# KiCad board output.Panel_R0.5.1_300x300_2layer_step1_Modified.kicad_pcb (continued)
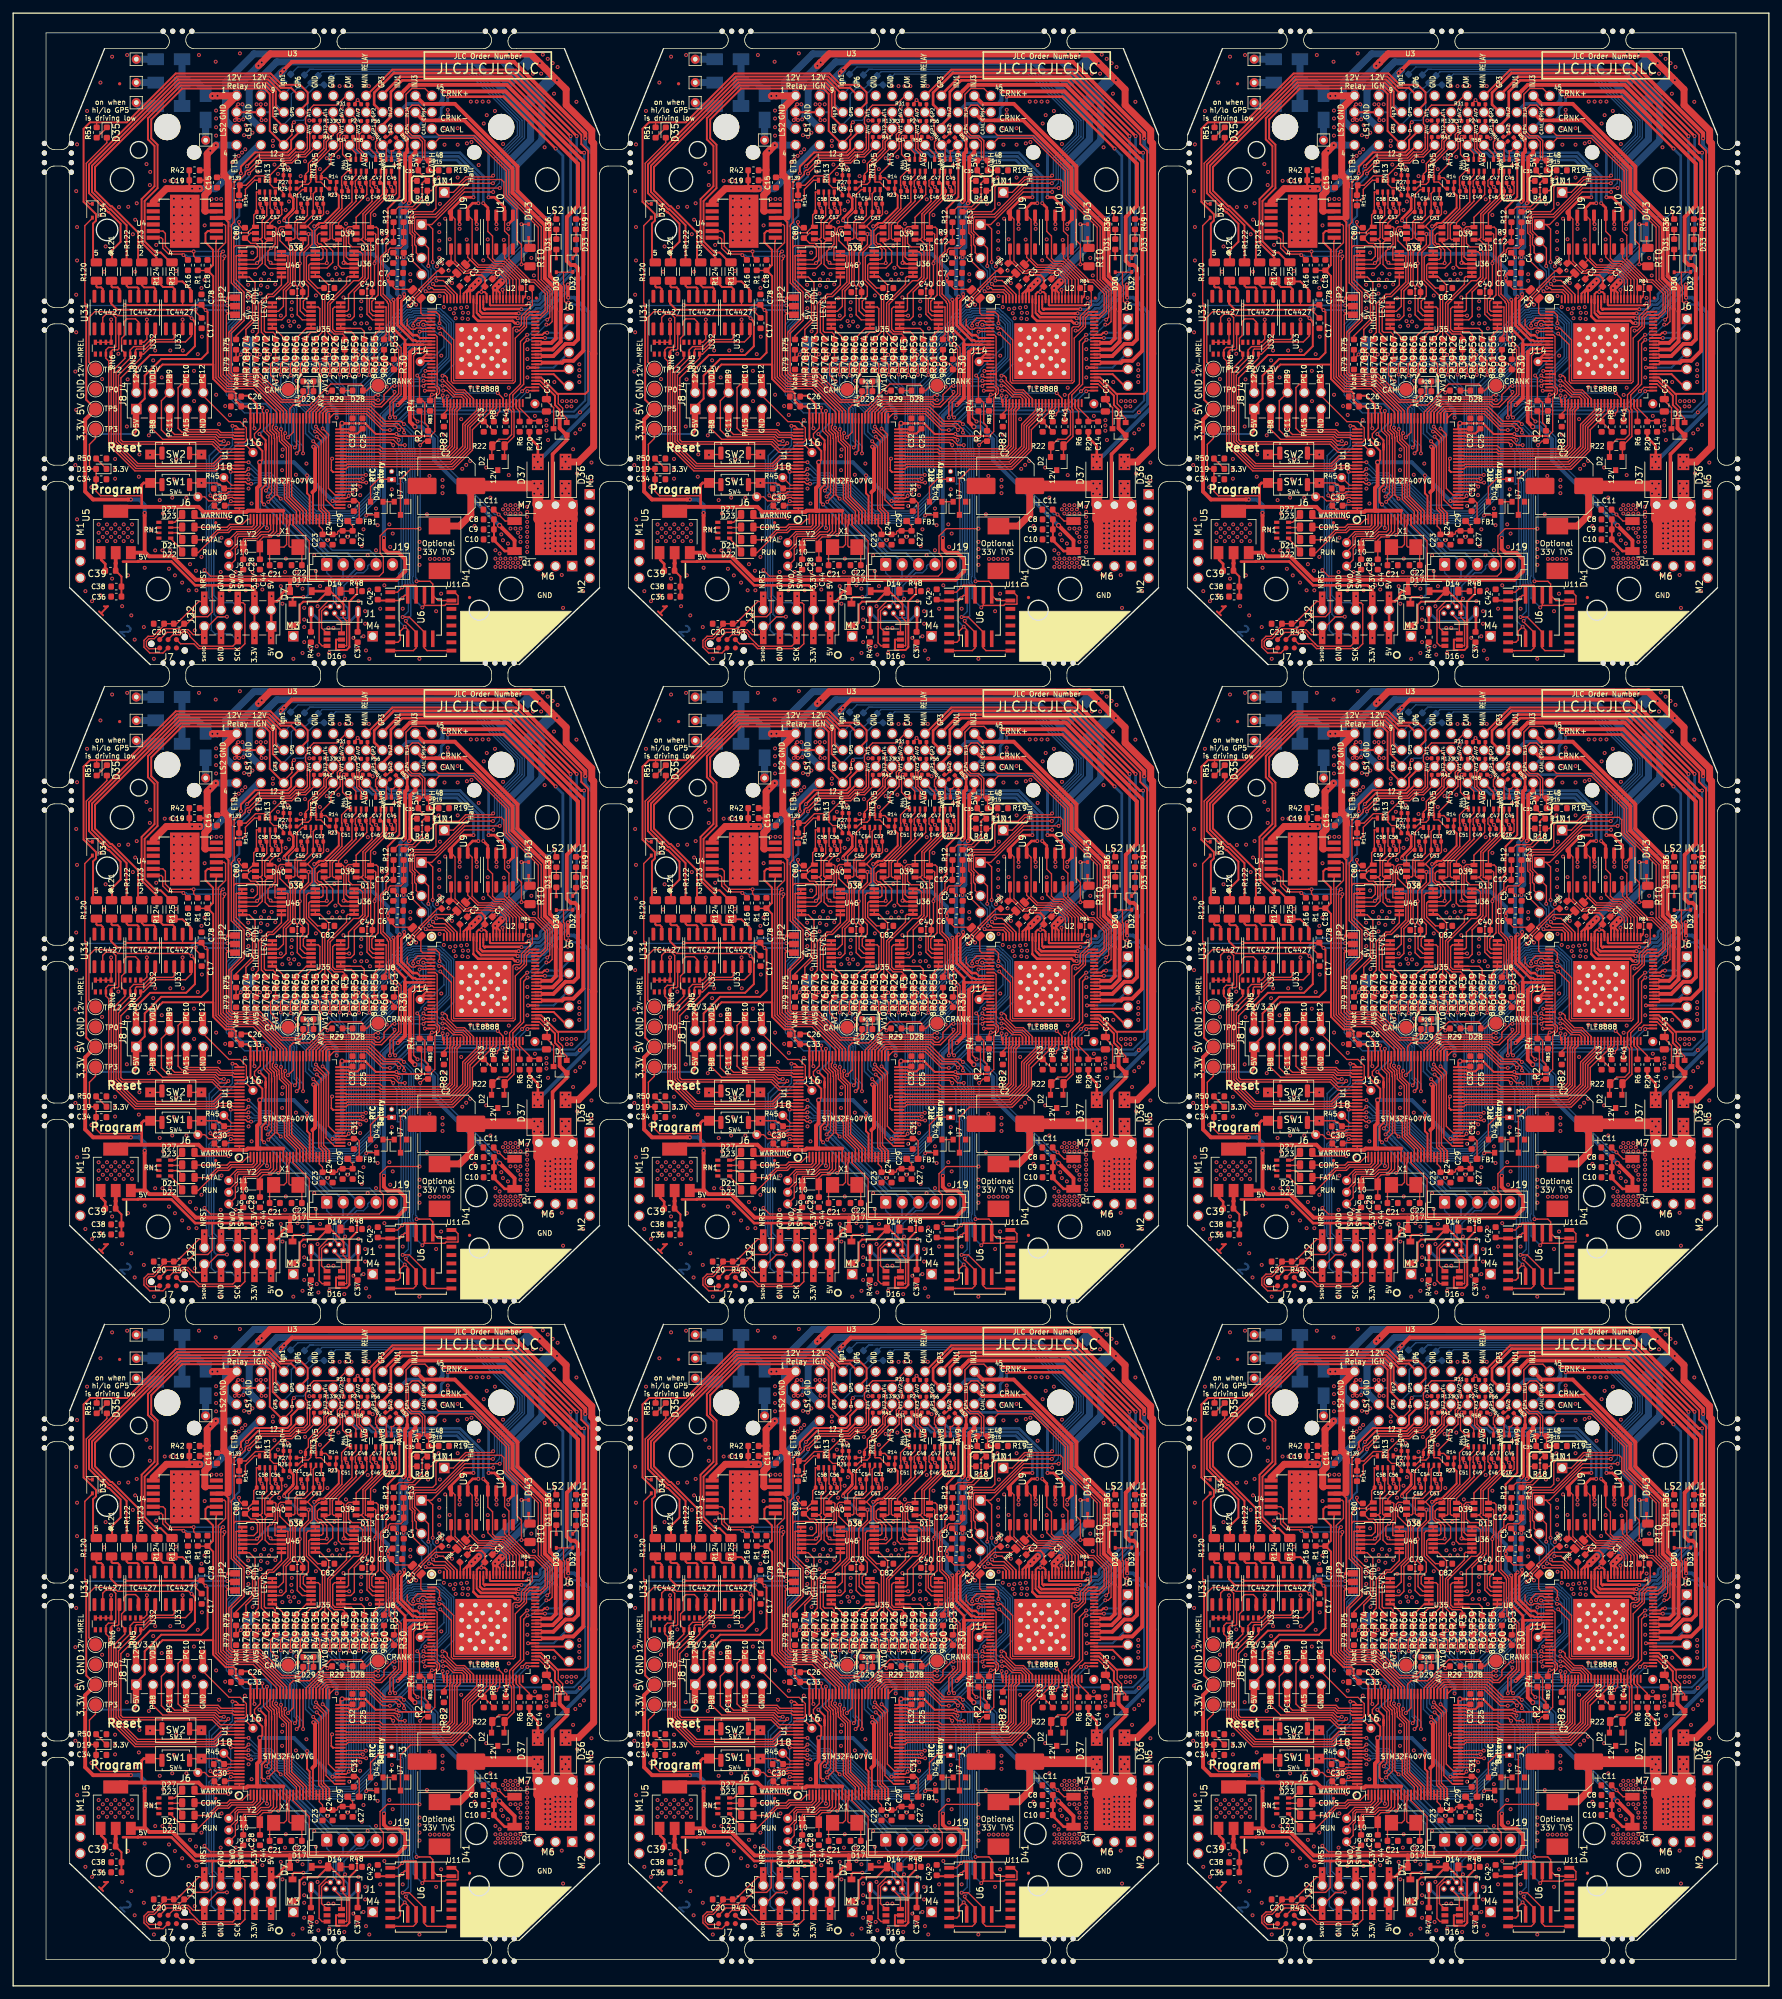
[diagram p0: board, top side]
## Routing (per net, layer and track width the routed paths; a pad name or vN(x,y) marks a point on that pad's centre or on a via; arc(x,y) is an arc through that point) (continued)
/TLE8888-1QK/IN_9: length 241.5
  Top w0.216: U1#2.41 151.43,232.22 153.37,234.15 153.37,237.48 155.5,239.61 U2#2.36 ; U1#3.41 236.43,232.22 238.37,234.15 238.37,237.48 240.5,239.61 U2#3.36 ; U1#5.41 236.43,135.22 238.37,137.15 238.37,140.48 240.5,142.61 U2#5.36 ; U1#4.41 66.43,135.22 68.37,137.15 68.37,140.48 70.5,142.61 U2#4.36 ; U1#6.41 151.43,135.22 153.37,137.15 153.37,140.48 155.5,142.61 U2#6.36 ; U1#7.41 66.43,38.22 68.37,40.15 68.37,43.48 70.5,45.61 U2#7.36 ; U1#9.41 151.43,38.22 153.37,40.15 153.37,43.48 155.5,45.61 U2#9.36 ; U1#8.41 236.43,38.22 238.37,40.15 238.37,43.48 240.5,45.61 U2#8.36 ; U1.41 66.43,232.22 68.37,234.15 68.37,237.48 70.5,239.61 U2.36
/TLE8888-1QK/IN_10: length 248
  Top w0.216: U2#2.37 156,239.59 153.74,237.32 153.74,234 151.5,231.76 135.61,231.76 135.56,231.72 U1#2.40 ; U1#3.40 220.56,231.72 220.61,231.76 236.5,231.76 238.74,234 238.74,237.32 241,239.59 U2#3.37 ; U1#5.40 220.56,134.72 220.61,134.76 236.5,134.76 238.74,137 238.74,140.32 241,142.59 U2#5.37 ; U2#4.37 71,142.59 68.74,140.32 68.74,137 66.5,134.76 50.61,134.76 50.56,134.72 U1#4.40 ; U1#6.40 135.56,134.72 135.61,134.76 151.5,134.76 153.74,137 153.74,140.32 156,142.59 U2#6.37 ; U2#7.37 71,45.59 68.74,43.32 68.74,40 66.5,37.76 50.61,37.76 50.56,37.72 U1#7.40 ; U1#9.40 135.56,37.72 135.61,37.76 151.5,37.76 153.74,40 153.74,43.32 156,45.59 U2#9.37 ; U1#8.40 220.56,37.72 220.61,37.76 236.5,37.76 238.74,40 238.74,43.32 241,45.59 U2#8.37 ; U2.37 71,239.59 68.74,237.32 68.74,234 66.5,231.76 50.61,231.76 50.56,231.72 U1.40
/TLE8888-1QK/IN_11: length 254.5
  Top w0.216: U1#2.39 135.64,231.22 135.82,231.39 151.65,231.39 154.1,233.85 154.1,237.17 156.5,239.57 U2#2.38 ; U2#3.38 241.5,239.57 239.1,237.17 239.1,233.85 236.65,231.39 220.82,231.39 220.64,231.22 U1#3.39 ; U2#5.38 241.5,142.57 239.1,140.17 239.1,136.85 236.65,134.39 220.82,134.39 220.64,134.22 U1#5.39 ; U1#4.39 50.64,134.22 50.82,134.39 66.65,134.39 69.1,136.85 69.1,140.17 71.5,142.57 U2#4.38 ; U2#6.38 156.5,142.57 154.1,140.17 154.1,136.85 151.65,134.39 135.82,134.39 135.64,134.22 U1#6.39 ; U1#7.39 50.64,37.22 50.82,37.39 66.65,37.39 69.1,39.85 69.1,43.17 71.5,45.57 U2#7.38 ; U2#9.38 156.5,45.57 154.1,43.17 154.1,39.85 151.65,37.39 135.82,37.39 135.64,37.22 U1#9.39 ; U2#8.38 241.5,45.57 239.1,43.17 239.1,39.85 236.65,37.39 220.82,37.39 220.64,37.22 U1#8.39 ; U2.38 71.5,239.57 69.1,237.17 69.1,233.85 66.65,231.39 50.82,231.39 50.64,231.22 U1.39
/TLE8888-1QK/IN_12: length 261
  Top w0.216: U1#2.38 135.66,230.72 135.97,231.03 151.81,231.03 154.47,233.69 154.47,237.02 157,239.54 U2#2.39 ; U1#3.38 220.66,230.72 220.97,231.03 236.81,231.03 239.47,233.69 239.47,237.02 242,239.54 U2#3.39 ; U1#5.38 220.66,133.72 220.97,134.03 236.81,134.03 239.47,136.69 239.47,140.02 242,142.54 U2#5.39 ; U1#4.38 50.66,133.72 50.97,134.03 66.81,134.03 69.47,136.69 69.47,140.02 72,142.54 U2#4.39 ; U1#6.38 135.66,133.72 135.97,134.03 151.81,134.03 154.47,136.69 154.47,140.02 157,142.54 U2#6.39 ; U1#7.38 50.66,36.72 50.97,37.03 66.81,37.03 69.47,39.69 69.47,43.02 72,45.54 U2#7.39 ; U1#9.38 135.66,36.72 135.97,37.03 151.81,37.03 154.47,39.69 154.47,43.02 157,45.54 U2#9.39 ; U1#8.38 220.66,36.72 220.97,37.03 236.81,37.03 239.47,39.69 239.47,43.02 242,45.54 U2#8.39 ; U1.38 50.66,230.72 50.97,231.03 66.81,231.03 69.47,233.69 69.47,237.02 72,239.54 U2.39
/TLE8888-1QK/INJ_EN: length 222.7
  Top w0.203: v1(140.5,241.92) 140.08,241.92 139.8,241.64 131.91,241.64 129.59,239.33 U1#2.58 ; R83#2.1 148.4,241.71 v1(148.68,241.99) 149.1,241.99 149.48,242.37 149.48,242.81 149.19,243.1 U2#2.24 ; U2#3.24 234.19,243.1 234.48,242.81 234.48,242.37 234.1,241.99 v1(233.68,241.99) 233.4,241.71 R83#3.1 ; v1(225.5,241.92) 225.08,241.92 224.8,241.64 216.91,241.64 214.59,239.33 U1#3.58 ; U2#6.24 149.19,146.1 149.48,145.81 149.48,145.37 149.1,144.99 v1(148.68,144.99) 148.4,144.71 R83#6.1 ; v1(140.5,144.92) 140.08,144.92 139.8,144.64 131.91,144.64 129.59,142.33 U1#6.58 ; v1(55.5,144.92) 55.08,144.92 54.8,144.64 46.91,144.64 44.59,142.33 U1#4.58 ; R83#4.1 63.4,144.71 v1(63.68,144.99) 64.1,144.99 64.48,145.37 64.48,145.81 64.19,146.1 U2#4.24 ; v1(225.5,144.92) 225.08,144.92 224.8,144.64 216.91,144.64 214.59,142.33 U1#5.58 ; U2#5.24 234.19,146.1 234.48,145.81 234.48,145.37 234.1,144.99 v1(233.68,144.99) 233.4,144.71 R83#5.1 ; U1#9.58 129.59,45.33 131.91,47.64 139.8,47.64 140.08,47.92 v1(140.5,47.92) ; R83#9.1 148.4,47.71 v1(148.68,47.99) 149.1,47.99 149.48,48.37 149.48,48.81 149.19,49.1 U2#9.24 ; v1(55.5,47.92) 55.08,47.92 54.8,47.64 46.91,47.64 44.59,45.33 U1#7.58 ; R83#7.1 63.4,47.71 v1(63.68,47.99) 64.1,47.99 64.48,48.37 64.48,48.81 64.19,49.1 U2#7.24 ; v1(225.5,47.92) 225.08,47.92 224.8,47.64 216.91,47.64 214.59,45.33 U1#8.58 ; U2#8.24 234.19,49.1 234.48,48.81 234.48,48.37 234.1,47.99 v1(233.68,47.99) 233.4,47.71 R83#8.1 ; U2.24 64.19,243.1 64.48,242.81 64.48,242.37 64.1,241.99 v1(63.68,241.99) 63.4,241.71 R83.1 ; U1.58 44.59,239.33 46.91,241.64 54.8,241.64 55.08,241.92 v1(55.5,241.92)
  Bottom w0.203: v1(148.68,241.99) 148.36,241.67 141.17,241.67 140.92,241.92 v1(140.5,241.92) ; v1(233.68,241.99) 233.36,241.67 226.17,241.67 225.92,241.92 v1(225.5,241.92) ; v1(148.68,144.99) 148.36,144.67 141.17,144.67 140.92,144.92 v1(140.5,144.92) ; v1(63.68,144.99) 63.36,144.67 56.17,144.67 55.92,144.92 v1(55.5,144.92) ; v1(233.68,144.99) 233.36,144.67 226.17,144.67 225.92,144.92 v1(225.5,144.92) ; v1(148.68,47.99) 148.36,47.67 141.17,47.67 140.92,47.92 v1(140.5,47.92) ; v1(63.68,47.99) 63.36,47.67 56.17,47.67 55.92,47.92 v1(55.5,47.92) ; v1(233.68,47.99) 233.36,47.67 226.17,47.67 225.92,47.92 v1(225.5,47.92) ; v1(55.5,241.92) 55.92,241.92 56.17,241.67 63.36,241.67 v1(63.68,241.99)
/TLE8888-1QK/INJ_IN_1: length 211.6
  Top w0.216: U1#2.45 140.73,234.22 141.19,233.75 150.88,233.75 151.4,234.26 151.4,239.93 151.5,240.03 U2#2.28 ; U1#3.45 225.73,234.22 226.19,233.75 235.88,233.75 236.4,234.26 236.4,239.93 236.5,240.03 U2#3.28 ; U1#5.45 225.73,137.22 226.19,136.75 235.88,136.75 236.4,137.26 236.4,142.93 236.5,143.03 U2#5.28 ; U1#4.45 55.73,137.22 56.19,136.75 65.88,136.75 66.4,137.26 66.4,142.93 66.5,143.03 U2#4.28 ; U1#6.45 140.73,137.22 141.19,136.75 150.88,136.75 151.4,137.26 151.4,142.93 151.5,143.03 U2#6.28 ; U1#7.45 55.73,40.22 56.19,39.75 65.88,39.75 66.4,40.26 66.4,45.93 66.5,46.03 U2#7.28 ; U1#9.45 140.73,40.22 141.19,39.75 150.88,39.75 151.4,40.26 151.4,45.93 151.5,46.03 U2#9.28 ; U1#8.45 225.73,40.22 226.19,39.75 235.88,39.75 236.4,40.26 236.4,45.93 236.5,46.03 U2#8.28 ; U2.28 66.5,240.03 66.4,239.93 66.4,234.26 65.88,233.75 56.19,233.75 55.73,234.22 U1.45
/TLE8888-1QK/INJ_IN_2: length 217.4
  Top w0.216: U2#2.29 152,240.01 151.77,239.78 151.77,234.11 151,233.35 140.99,233.35 140.62,233.72 U1#2.44 ; U1#3.44 225.62,233.72 225.99,233.35 236,233.35 236.77,234.11 236.77,239.78 237,240.01 U2#3.29 ; U1#5.44 225.62,136.72 225.99,136.35 236,136.35 236.77,137.11 236.77,142.78 237,143.01 U2#5.29 ; U2#4.29 67,143.01 66.77,142.78 66.77,137.11 66,136.35 55.99,136.35 55.62,136.72 U1#4.44 ; U1#6.44 140.62,136.72 140.99,136.35 151,136.35 151.77,137.11 151.77,142.78 152,143.01 U2#6.29 ; U2#7.29 67,46.01 66.77,45.78 66.77,40.11 66,39.35 55.99,39.35 55.62,39.72 U1#7.44 ; U1#9.44 140.62,39.72 140.99,39.35 151,39.35 151.77,40.11 151.77,45.78 152,46.01 U2#9.29 ; U1#8.44 225.62,39.72 225.99,39.35 236,39.35 236.77,40.11 236.77,45.78 237,46.01 U2#8.29 ; U2.29 67,240.01 66.77,239.78 66.77,234.11 66,233.35 55.99,233.35 55.62,233.72 U1.44
/TLE8888-1QK/INJ_IN_3: length 222.9
  Top w0.216: U1#2.43 140.6,233.22 140.84,232.98 151.15,232.98 152.13,233.96 152.13,239.63 152.5,239.99 U2#2.30 ; U1#3.43 225.6,233.22 225.84,232.98 236.15,232.98 237.13,233.96 237.13,239.63 237.5,239.99 U2#3.30 ; U2#5.30 237.5,142.99 237.13,142.63 237.13,136.96 236.15,135.98 225.84,135.98 225.6,136.22 U1#5.43 ; U1#4.43 55.6,136.22 55.84,135.98 66.15,135.98 67.13,136.96 67.13,142.63 67.5,142.99 U2#4.30 ; U1#6.43 140.6,136.22 140.84,135.98 151.15,135.98 152.13,136.96 152.13,142.63 152.5,142.99 U2#6.30 ; U2#7.30 67.5,45.99 67.13,45.63 67.13,39.96 66.15,38.98 55.84,38.98 55.6,39.22 U1#7.43 ; U1#9.43 140.6,39.22 140.84,38.98 151.15,38.98 152.13,39.96 152.13,45.63 152.5,45.99 U2#9.30 ; U2#8.30 237.5,45.99 237.13,45.63 237.13,39.96 236.15,38.98 225.84,38.98 225.6,39.22 U1#8.43 ; U2.30 67.5,239.99 67.13,239.63 67.13,233.96 66.15,232.98 55.84,232.98 55.6,233.22 U1.43
/TLE8888-1QK/INJ_IN_4: length 228.5
  Top w0.216: 153,239.97 152.99,239.97 ; 153,239.97 152.5,239.47 152.5,233.81 151.3,232.61 135.67,232.61 135.56,232.72 U1#2.42 ; 153,239.97 U2#2.31 ; U1#3.42 220.56,232.72 220.67,232.61 236.3,232.61 237.5,233.81 237.5,239.47 238,239.97 ; 238,239.97 U2#3.31 ; 238,239.97 237.99,239.97 ; U1#5.42 220.56,135.72 220.67,135.61 236.3,135.61 237.5,136.81 237.5,142.47 238,142.97 ; U2#5.31 238,142.97 ; 238,142.97 237.99,142.97 ; 68,142.97 67.99,142.97 ; 68,142.97 67.5,142.47 67.5,136.81 66.3,135.61 50.67,135.61 50.56,135.72 U1#4.42 ; 68,142.97 U2#4.31 ; U1#6.42 135.56,135.72 135.67,135.61 151.3,135.61 152.5,136.81 152.5,142.47 153,142.97 ; 153,142.97 U2#6.31 ; 153,142.97 152.99,142.97 ; U1#7.42 50.56,38.72 50.67,38.61 66.3,38.61 67.5,39.81 67.5,45.47 68,45.97 ; 68,45.97 67.99,45.97 ; 68,45.97 U2#7.31 ; U1#9.42 135.56,38.72 135.67,38.61 151.3,38.61 152.5,39.81 152.5,45.47 153,45.97 ; 153,45.97 152.99,45.97 ; 153,45.97 U2#9.31 ; U1#8.42 220.56,38.72 220.67,38.61 236.3,38.61 237.5,39.81 237.5,45.47 238,45.97 ; 238,45.97 U2#8.31 ; 238,45.97 237.99,45.97 ; U2.31 68,239.97 ; 68,239.97 67.99,239.97 ; 68,239.97 67.5,239.47 67.5,233.81 66.3,232.61 50.67,232.61 50.56,232.72 U1.42
/TLE8888-1QK/KEY: length 44.1
  Top w0.216: U2#2.49 162,239.97 163.51,238.46 R20#2.1 ; 163.55,238.01 165.03,238.01 ; R20#3.1 248.51,238.46 247,239.97 U2#3.49 ; 248.55,238.01 250.03,238.01 ; U2#5.49 247,142.97 248.51,141.46 R20#4.1 ; 248.55,141.01 250.03,141.01 ; R20#5.1 163.51,141.46 162,142.97 U2#6.49 ; 163.55,141.01 165.03,141.01 ; U2#4.49 77,142.97 78.51,141.46 R20#6.1 ; 78.55,141.01 80.03,141.01 ; R20#8.1 163.51,44.46 162,45.97 U2#9.49 ; 163.55,44.01 165.03,44.01 ; U2#7.49 77,45.97 78.51,44.46 R20#9.1 ; 78.55,44.01 80.03,44.01 ; R20#7.1 248.51,44.46 247,45.97 U2#8.49 ; 248.55,44.01 250.03,44.01 ; 78.55,238.01 80.03,238.01 ; U2.49 77,239.97 78.51,238.46 R20.1
/TLE8888-1QK/LIN_RX: length 194.1
  Top w0.203: v1(147.4,243.3) 147.7,243.6 U2#2.23 ; v1(232.4,243.3) 232.7,243.6 U2#3.23 ; v1(62.4,146.3) 62.7,146.6 U2#4.23 ; v1(147.4,146.3) 147.7,146.6 U2#6.23 ; U2#5.23 232.7,146.6 v1(232.4,146.3) ; v1(62.4,49.3) 62.7,49.6 U2#7.23 ; v1(147.4,49.3) 147.7,49.6 U2#9.23 ; v1(232.4,49.3) 232.7,49.6 U2#8.23 ; U2.23 62.7,243.6 v1(62.4,243.3)
  Top w0.216: v1(143,243.3) 142.7,243.3 141.4,242 141.4,241.14 140.76,240.5 140.2,240.5 139.77,240.93 132.2,240.93 130.59,239.31 U1#2.56 ; U1#3.56 215.59,239.31 217.2,240.93 224.77,240.93 225.2,240.5 225.76,240.5 226.4,241.14 226.4,242 227.7,243.3 v1(228,243.3) ; U1#5.56 215.59,142.31 217.2,143.93 224.77,143.93 225.2,143.5 225.76,143.5 226.4,144.14 226.4,145 227.7,146.3 v1(228,146.3) ; v1(58,146.3) 57.7,146.3 56.4,145 56.4,144.14 55.76,143.5 55.2,143.5 54.77,143.93 47.2,143.93 45.59,142.31 U1#4.56 ; U1#6.56 130.59,142.31 132.2,143.93 139.77,143.93 140.2,143.5 140.76,143.5 141.4,144.14 141.4,145 142.7,146.3 v1(143,146.3) ; U1#7.56 45.59,45.31 47.2,46.93 54.77,46.93 55.2,46.5 55.76,46.5 56.4,47.14 56.4,48 57.7,49.3 v1(58,49.3) ; U1#9.56 130.59,45.31 132.2,46.93 139.77,46.93 140.2,46.5 140.76,46.5 141.4,47.14 141.4,48 142.7,49.3 v1(143,49.3) ; v1(228,49.3) 227.7,49.3 226.4,48 226.4,47.14 225.76,46.5 225.2,46.5 224.77,46.93 217.2,46.93 215.59,45.31 U1#8.56 ; U1.56 45.59,239.31 47.2,240.93 54.77,240.93 55.2,240.5 55.76,240.5 56.4,241.14 56.4,242 57.7,243.3 v1(58,243.3)
  Bottom w0.216: v1(147.4,243.3) v1(143,243.3) ; v1(232.4,243.3) v1(228,243.3) ; v1(228,146.3) v1(232.4,146.3) ; v1(62.4,146.3) v1(58,146.3) ; v1(147.4,146.3) v1(143,146.3) ; v1(62.4,49.3) v1(58,49.3) ; v1(143,49.3) v1(147.4,49.3) ; v1(228,49.3) v1(232.4,49.3) ; v1(62.4,243.3) v1(58,243.3)
/TLE8888-1QK/LIN_TX: length 202
  Top w0.203: U2#2.22 147.4,244.1 v1(147.4,244.1) ; v1(232.4,244.1) 232.4,244.1 U2#3.22 ; U2#4.22 62.4,147.1 v1(62.4,147.1) ; v1(147.4,147.1) 147.4,147.1 U2#6.22 ; v1(232.4,147.1) 232.4,147.1 U2#5.22 ; v1(62.4,50.1) 62.4,50.1 U2#7.22 ; v1(147.4,50.1) 147.4,50.1 U2#9.22 ; v1(232.4,50.1) 232.4,50.1 U2#8.22 ; v1(62.4,244.1) 62.4,244.1 U2.22
  Top w0.216: U1#2.55 131.09,239.29 132.34,240.55 132.41,240.55 132.42,240.56 133.17,240.56 133.17,240.56 139.54,240.56 139.8,240.3 139.88,240.3 140.05,240.13 141.03,240.13 143,242.1 v1(143,242.4) ; U1#3.55 216.09,239.29 217.34,240.55 217.41,240.55 217.42,240.56 218.17,240.56 218.17,240.56 224.54,240.56 224.8,240.3 224.88,240.3 225.05,240.13 226.03,240.13 228,242.1 v1(228,242.4) ; v1(228,145.4) 228,145.1 226.03,143.13 225.05,143.13 224.88,143.3 224.8,143.3 224.54,143.56 218.17,143.56 218.17,143.56 217.42,143.56 217.41,143.55 217.34,143.55 216.09,142.29 U1#5.55 ; U1#4.55 46.09,142.29 47.34,143.55 47.41,143.55 47.42,143.56 48.17,143.56 48.17,143.56 54.54,143.56 54.8,143.3 54.88,143.3 55.05,143.13 56.03,143.13 58,145.1 v1(58,145.4) ; U1#6.55 131.09,142.29 132.34,143.55 132.41,143.55 132.42,143.56 133.17,143.56 133.17,143.56 139.54,143.56 139.8,143.3 139.88,143.3 140.05,143.13 141.03,143.13 143,145.1 v1(143,145.4) ; U1#8.55 216.09,45.29 217.34,46.55 217.41,46.55 217.42,46.56 218.17,46.56 218.17,46.56 224.54,46.56 224.8,46.3 224.88,46.3 225.05,46.13 226.03,46.13 228,48.1 v1(228,48.4) ; U1#7.55 46.09,45.29 47.34,46.55 47.41,46.55 47.42,46.56 48.17,46.56 48.17,46.56 54.54,46.56 54.8,46.3 54.88,46.3 55.05,46.13 56.03,46.13 58,48.1 v1(58,48.4) ; U1#9.55 131.09,45.29 132.34,46.55 132.41,46.55 132.42,46.56 133.17,46.56 133.17,46.56 139.54,46.56 139.8,46.3 139.88,46.3 140.05,46.13 141.03,46.13 143,48.1 v1(143,48.4) ; v1(58,242.4) 58,242.1 56.03,240.13 55.05,240.13 54.88,240.3 54.8,240.3 54.54,240.56 48.17,240.56 48.17,240.56 47.42,240.56 47.41,240.55 47.34,240.55 46.09,239.29 U1.55
  Bottom w0.216: v1(143,242.4) 142.44,242.96 142.44,243.62 142.78,243.96 147.26,243.96 v1(147.4,244.1) ; v1(232.4,244.1) 232.26,243.96 227.78,243.96 227.44,243.62 227.44,242.96 v1(228,242.4) ; v1(228,145.4) 227.44,145.96 227.44,146.62 227.78,146.96 232.26,146.96 v1(232.4,147.1) ; v1(58,145.4) 57.44,145.96 57.44,146.62 57.78,146.96 62.26,146.96 v1(62.4,147.1) ; v1(147.4,147.1) 147.26,146.96 142.78,146.96 142.44,146.62 142.44,145.96 v1(143,145.4) ; v1(62.4,50.1) 62.26,49.96 57.78,49.96 57.44,49.62 57.44,48.96 v1(58,48.4) ; v1(147.4,50.1) 147.26,49.96 142.78,49.96 142.44,49.62 142.44,48.96 v1(143,48.4) ; v1(232.4,50.1) 232.26,49.96 227.78,49.96 227.44,49.62 227.44,48.96 v1(228,48.4) ; v1(62.4,244.1) 62.26,243.96 57.78,243.96 57.44,243.62 57.44,242.96 v1(58,242.4)
/TLE8888-1QK/OUT_7: length 53.9
  Top w0.305: U2#2.16 147,247.1 U3#2.J14 ; U3#2.J14 147.5,247.6 U2#2.15 ; U3#2.J14 146.9,247.25 147.75,248.1 U2#2.14 ; U3#3.J14 232.5,247.6 U2#3.15 ; U3#3.J14 231.9,247.25 232.75,248.1 U2#3.14 ; U3#3.J14 232,247.1 U2#3.16 ; U2#5.15 232.5,150.6 U3#5.J14 ; U2#5.16 232,150.1 U3#5.J14 ; U3#5.J14 231.9,150.25 232.75,151.1 U2#5.14 ; U3#6.J14 147.5,150.6 U2#6.15 ; U3#6.J14 146.9,150.25 147.75,151.1 U2#6.14 ; U3#6.J14 147,150.1 U2#6.16 ; U2#4.16 62,150.1 U3#4.J14 ; U3#4.J14 62.5,150.6 U2#4.15 ; U3#4.J14 61.9,150.25 62.75,151.1 U2#4.14 ; U3#9.J14 147.5,53.6 U2#9.15 ; U3#9.J14 146.9,53.25 147.75,54.1 U2#9.14 ; U3#9.J14 147,53.1 U2#9.16 ; U2#7.16 62,53.1 U3#8.J14 ; U3#8.J14 61.9,53.25 62.75,54.1 U2#7.14 ; U3#8.J14 62.5,53.6 U2#7.15 ; U2#8.15 232.5,53.6 U3#7.J14 ; U2#8.16 232,53.1 U3#7.J14 ; U3#7.J14 231.9,53.25 232.75,54.1 U2#8.14 ; U2.16 62,247.1 U3.J14 ; U3.J14 61.9,247.25 62.75,248.1 U2.14 ; U3.J14 62.5,247.6 U2.15
/TLE8888-1QK/OUT_14: length 58.6
  Top w0.305: v1(166.2,251.4) 165.78,251.4 165.48,251.1 U2#2.68 ; U2#3.68 250.48,251.1 250.78,251.4 v1(251.2,251.4) ; U2#5.68 250.48,154.1 250.78,154.4 v1(251.2,154.4) ; v1(81.2,154.4) 80.78,154.4 80.48,154.1 U2#4.68 ; U2#6.68 165.48,154.1 165.78,154.4 v1(166.2,154.4) ; U2#7.68 80.48,57.1 80.78,57.4 v1(81.2,57.4) ; U2#9.68 165.48,57.1 165.78,57.4 v1(166.2,57.4) ; v1(251.2,57.4) 250.78,57.4 250.48,57.1 U2#8.68 ; U2.68 80.48,251.1 80.78,251.4 v1(81.2,251.4)
  Bottom w0.305: v1(166.2,251.4) 168.1,251.4 169.53,252.83 U3#2.J61 ; v1(251.2,251.4) 253.1,251.4 254.53,252.83 U3#3.J61 ; U3#5.J61 254.53,155.83 253.1,154.4 v1(251.2,154.4) ; v1(81.2,154.4) 83.1,154.4 84.53,155.83 U3#4.J61 ; v1(166.2,154.4) 168.1,154.4 169.53,155.83 U3#6.J61 ; U3#8.J61 84.53,58.83 83.1,57.4 v1(81.2,57.4) ; v1(166.2,57.4) 168.1,57.4 169.53,58.83 U3#9.J61 ; v1(251.2,57.4) 253.1,57.4 254.53,58.83 U3#7.J61 ; U3.J61 84.53,252.83 83.1,251.4 v1(81.2,251.4)
/TLE8888-1QK/OUT_15: length 47.5
  Top w0.305: v1(165.88,250.6) 165.87,250.6 U2#2.67 ; v1(250.88,250.6) 250.87,250.6 U2#3.67 ; v1(250.88,153.6) 250.87,153.6 U2#5.67 ; v1(80.88,153.6) 80.87,153.6 U2#4.67 ; v1(165.88,153.6) 165.87,153.6 U2#6.67 ; v1(80.88,56.6) 80.87,56.6 U2#7.67 ; v1(165.88,56.6) 165.87,56.6 U2#9.67 ; v1(250.88,56.6) 250.87,56.6 U2#8.67 ; v1(80.88,250.6) 80.87,250.6 U2.67
  Bottom w0.305: v1(165.88,250.6) 165.88,250.6 169.17,250.6 U3#2.J62 ; v1(250.88,250.6) 250.88,250.6 254.17,250.6 U3#3.J62 ; U3#5.J62 254.17,153.6 250.88,153.6 v1(250.88,153.6) ; v1(80.88,153.6) 80.88,153.6 84.17,153.6 U3#4.J62 ; v1(165.88,153.6) 165.88,153.6 169.17,153.6 U3#6.J62 ; U3#8.J62 84.17,56.6 80.88,56.6 v1(80.88,56.6) ; U3#9.J62 169.17,56.6 165.88,56.6 v1(165.88,56.6) ; U3#7.J62 254.17,56.6 250.88,56.6 v1(250.88,56.6) ; v1(80.88,250.6) 80.88,250.6 84.17,250.6 U3.J62
/TLE8888-1QK/OUT_16: length 74.6
  Top w0.305: 163.3,246.1 v1(163.3,246.1) 164.4,246.1 U2#2.58 ; 248.3,246.1 v1(248.3,246.1) 249.4,246.1 U2#3.58 ; 248.3,149.1 v1(248.3,149.1) 249.4,149.1 U2#5.58 ; 78.3,149.1 v1(78.3,149.1) 79.4,149.1 U2#4.58 ; 163.3,149.1 v1(163.3,149.1) 164.4,149.1 U2#6.58 ; 78.3,52.1 v1(78.3,52.1) 79.4,52.1 U2#7.58 ; 163.3,52.1 v1(163.3,52.1) 164.4,52.1 U2#9.58 ; 248.3,52.1 v1(248.3,52.1) 249.4,52.1 U2#8.58 ; U2.58 79.4,246.1 v1(78.3,246.1) 78.3,246.1
  Bottom w0.305: U3#2.J63 167.21,246.1 v1(163.3,246.1) ; v1(248.3,246.1) 252.21,246.1 U3#3.J63 ; v1(248.3,149.1) 252.21,149.1 U3#5.J63 ; U3#4.J63 82.21,149.1 v1(78.3,149.1) ; v1(163.3,149.1) 167.21,149.1 U3#6.J63 ; U3#8.J63 82.21,52.1 v1(78.3,52.1) ; v1(163.3,52.1) 167.21,52.1 U3#9.J63 ; v1(248.3,52.1) 252.21,52.1 U3#7.J63 ; v1(78.3,246.1) 82.21,246.1 U3.J63
/TLE8888-1QK/OUT_17: length 47.1
  Top w0.305: U2.57 84.24,245.6 84.52,245.88 ; 169.52,245.88 169.24,245.6 U2#2.57 ; 254.52,245.88 254.24,245.6 U2#3.57 ; 254.52,148.88 254.24,148.6 U2#5.57 ; 84.52,148.88 84.24,148.6 U2#4.57 ; 169.52,148.88 169.24,148.6 U2#6.57 ; U2#7.57 84.24,51.6 84.52,51.88 ; 169.52,51.88 169.24,51.6 U2#9.57 ; 254.52,51.88 254.24,51.6 U2#8.57
/TLE8888-1QK/OUT_18: length 52.6
  Top w0.305: U2#2.56 167.2,245.1 168.96,243.34 169.52,243.34 ; U2#3.56 252.2,245.1 253.96,243.34 254.52,243.34 ; 254.52,146.34 253.96,146.34 252.2,148.1 U2#5.56 ; U2#4.56 82.2,148.1 83.96,146.34 84.52,146.34 ; U2#6.56 167.2,148.1 168.96,146.34 169.52,146.34 ; U2#7.56 82.2,51.1 83.96,49.34 84.52,49.34 ; 169.52,49.34 168.96,49.34 167.2,51.1 U2#9.56 ; U2#8.56 252.2,51.1 253.96,49.34 254.52,49.34 ; U2.56 82.2,245.1 83.96,243.34 84.52,243.34
/TLE8888-1QK/RST: length 197.5
  Top w0.216: v1(146.46,244.89) 146.8,244.55 146.8,241.07 147.28,241.07 147.6,240.75 147.6,237.7 148.1,237.2 R2#2.1 ; U2#2.1 149.28,254.6 149.84,254.03 v1(149.84,252.84) ; R2#3.1 233.1,237.2 232.6,237.7 232.6,240.75 232.27,241.07 231.8,241.07 231.8,244.55 v1(231.46,244.89) ; v1(234.84,252.84) 234.84,254.03 234.28,254.6 U2#3.1 ; v1(61.46,147.89) 61.8,147.55 R4#6.2 62.28,144.07 62.6,143.75 62.6,140.7 63.1,140.2 R2#4.1 ; U2#4.1 64.28,157.6 64.84,157.03 v1(64.84,155.84) ; R2#6.1 148.1,140.2 147.6,140.7 147.6,143.75 147.28,144.07 R4#4.2 146.8,147.55 v1(146.46,147.89) ; v1(149.84,155.84) 149.84,157.03 149.28,157.6 U2#6.1 ; U2#5.1 234.28,157.6 234.84,157.03 v1(234.84,155.84) ; v1(231.46,147.89) 231.8,147.55 R4#5.2 232.27,144.07 232.6,143.75 232.6,140.7 233.1,140.2 R2#5.1 ; R2#7.1 63.1,43.2 62.6,43.7 62.6,46.75 62.28,47.07 R4#8.2 61.8,50.55 v1(61.46,50.89) ; v1(64.84,58.84) 64.84,60.03 64.28,60.6 U2#7.1 ; v1(234.84,58.84) 234.84,60.03 234.28,60.6 U2#8.1 ; R2#8.1 233.1,43.2 232.6,43.7 232.6,46.75 232.27,47.07 R4#7.2 231.8,50.55 v1(231.46,50.89) ; v1(146.46,50.89) 146.8,50.55 R4#9.2 147.28,47.07 147.6,46.75 147.6,43.7 148.1,43.2 R2#9.1 ; U2#9.1 149.28,60.6 149.84,60.03 v1(149.84,58.84) ; v1(61.46,244.89) 61.8,244.55 61.8,241.07 62.28,241.07 62.6,240.75 62.6,237.7 63.1,237.2 R2.1 ; U2.1 64.28,254.6 64.84,254.03 v1(64.84,252.84)
  Bottom w0.216: v1(149.84,252.84) 150.52,252.17 150.52,249.23 147.07,245.78 147.07,245.5 v1(146.46,244.89) ; v1(234.84,252.84) 235.52,252.17 235.52,249.23 232.07,245.78 232.07,245.5 v1(231.46,244.89) ; v1(64.84,155.84) 65.52,155.17 65.52,152.23 62.07,148.78 62.07,148.5 v1(61.46,147.89) ; v1(149.84,155.84) 150.52,155.17 150.52,152.23 147.07,148.78 147.07,148.5 v1(146.46,147.89) ; v1(234.84,155.84) 235.52,155.17 235.52,152.23 232.07,148.78 232.07,148.5 v1(231.46,147.89) ; v1(61.46,50.89) 62.07,51.5 62.07,51.78 65.52,55.23 65.52,58.17 v1(64.84,58.84) ; v1(234.84,58.84) 235.52,58.17 235.52,55.23 232.07,51.78 232.07,51.5 v1(231.46,50.89) ; v1(146.46,50.89) 147.07,51.5 147.07,51.78 150.52,55.23 150.52,58.17 v1(149.84,58.84) ; v1(64.84,252.84) 65.52,252.17 65.52,249.23 62.07,245.78 62.07,245.5 v1(61.46,244.89)
/TLE8888-1QK/TLE_MON: length 36.2
  Top w0.203: U2#2.2 147.3,254.1 147,254.4 147,256.7 ; 232,256.7 232,254.4 232.3,254.1 U2#3.2 ; U2#4.2 62.3,157.1 62,157.4 62,159.7 ; 147,159.7 147,157.4 147.3,157.1 U2#6.2 ; 232,159.7 232,157.4 232.3,157.1 U2#5.2 ; 147,62.7 147,60.4 147.3,60.1 U2#9.2 ; 232,62.7 232,60.4 232.3,60.1 U2#8.2 ; U2#7.2 62.3,60.1 62,60.4 62,62.7 ; 62,256.7 62,254.4 62.3,254.1 U2.2
/TLE8888-1QK/VR+: length 509.4
  Top w0.203: R12#2.2 142.85,266.71 ; 142.9,266.71 142.89,266.7 ; 142.85,266.71 142.85,265.21 ; 143.63,244.43 143.63,248.83 142.7,249.77 ; R12#3.2 227.85,266.71 ; 227.9,266.71 227.89,266.7 ; 227.85,266.71 227.85,265.21 ; 228.63,244.43 228.63,248.83 227.7,249.77 ; R12#6.2 57.85,169.71 ; 57.9,169.71 57.89,169.7 ; 57.85,169.71 57.85,168.21 ; 58.63,147.43 58.63,151.83 57.7,152.77 ; R12#4.2 142.85,169.71 ; 142.9,169.71 142.89,169.7 ; 142.85,169.71 142.85,168.21 ; 143.63,147.43 143.63,151.83 142.7,152.77 ; 228.63,147.43 228.63,151.83 227.7,152.77 ; R12#5.2 227.85,169.71 ; 227.9,169.71 227.89,169.7 ; 227.85,169.71 227.85,168.21 ; 227.9,72.71 227.89,72.7 ; R12#7.2 227.85,72.71 ; 227.85,72.71 227.85,71.21 ; R12#8.2 57.85,72.71 ; 57.9,72.71 57.89,72.7 ; 58.63,50.43 58.63,54.83 57.7,55.77 ; 57.85,72.71 57.85,71.21 ; R12#9.2 142.85,72.71 ; 142.9,72.71 142.89,72.7 ; 142.85,72.71 142.85,71.21 ; 143.63,50.43 143.63,54.83 142.7,55.77 ; 227.7,55.77 228.63,54.83 228.63,50.43 ; 57.7,249.77 58.63,248.83 58.63,244.43 ; 57.9,266.71 57.89,266.7 ; R12.2 57.85,266.71 ; 57.85,266.71 57.85,265.21
  Top w0.216: v1(162.4,242.5) 163,243.1 U2#2.52 ; C12#2.1 142.23,265.2 141.7,264.67 141.7,263.78 140.9,262.98 140.9,257.14 141.9,256.13 141.9,255.99 142.09,255.8 142.09,251.61 142.17,251.52 142.17,250.29 142.7,249.77 ; 143.63,244.43 143.63,242.15 142.3,240.82 v1(142.3,238.5) ; v1(247.4,242.5) 248,243.1 U2#3.52 ; C12#3.1 227.23,265.2 226.7,264.67 226.7,263.78 225.9,262.98 225.9,257.14 226.9,256.13 226.9,255.99 227.08,255.8 227.08,251.61 227.17,251.52 227.17,250.29 227.7,249.77 ; 228.63,244.43 228.63,242.15 227.3,240.82 v1(227.3,238.5) ; v1(77.4,145.5) 78,146.1 U2#4.52 ; C12#6.1 57.23,168.2 56.7,167.67 56.7,166.78 55.9,165.98 55.9,160.14 56.9,159.13 56.9,158.99 57.08,158.8 57.08,154.61 57.17,154.52 57.17,153.29 57.7,152.77 ; 58.63,147.43 58.63,145.15 57.3,143.82 v1(57.3,141.5) ; v1(162.4,145.5) 163,146.1 U2#6.52 ; C12#4.1 142.23,168.2 141.7,167.67 141.7,166.78 140.9,165.98 140.9,160.14 141.9,159.13 141.9,158.99 142.09,158.8 142.09,154.61 142.17,154.52 142.17,153.29 142.7,152.77 ; 143.63,147.43 143.63,145.15 142.3,143.82 v1(142.3,141.5) ; v1(227.3,141.5) 227.3,143.82 228.63,145.15 228.63,147.43 ; C12#5.1 227.23,168.2 226.7,167.67 226.7,166.78 225.9,165.98 225.9,160.14 226.9,159.13 226.9,158.99 227.08,158.8 227.08,154.61 227.17,154.52 227.17,153.29 227.7,152.77 ; U2#5.52 248,146.1 v1(247.4,145.5) ; C12#7.1 227.23,71.2 226.7,70.67 226.7,69.78 225.9,68.98 225.9,63.14 226.9,62.13 226.9,61.99 227.08,61.8 227.08,57.61 227.17,57.52 227.17,56.29 227.7,55.77 ; U2#8.52 248,49.1 v1(247.4,48.5) ; 228.63,50.43 228.63,48.15 227.3,46.82 v1(227.3,44.5) ; C12#8.1 57.23,71.2 56.7,70.67 56.7,69.78 55.9,68.98 55.9,63.14 56.9,62.13 56.9,61.99 57.08,61.8 57.08,57.61 57.17,57.52 57.17,56.29 57.7,55.77 ; v1(77.4,48.5) 78,49.1 U2#7.52 ; 58.63,50.43 58.63,48.15 57.3,46.82 v1(57.3,44.5) ; v1(162.4,48.5) 163,49.1 U2#9.52 ; 142.7,55.77 142.17,56.29 142.17,57.52 142.09,57.61 142.09,61.8 141.9,61.99 141.9,62.13 140.9,63.14 140.9,68.98 141.7,69.78 141.7,70.67 142.23,71.2 C12#9.1 ; 143.63,50.43 143.63,48.15 142.3,46.82 v1(142.3,44.5) ; C12.1 57.23,265.2 56.7,264.67 56.7,263.78 55.9,262.98 55.9,257.14 56.9,256.13 56.9,255.99 57.08,255.8 57.08,251.61 57.17,251.52 57.17,250.29 57.7,249.77 ; 58.63,244.43 58.63,242.15 57.3,240.82 v1(57.3,238.5) ; v1(77.4,242.5) 78,243.1 U2.52
  Bottom w0.216: v1(142.3,238.5) 143.52,239.72 143.61,239.72 144.48,240.58 150.06,240.58 150.12,240.52 151.25,240.52 151.32,240.59 160.49,240.59 v1(162.4,242.5) ; v1(227.3,238.5) 228.52,239.72 228.61,239.72 229.48,240.58 235.06,240.58 235.12,240.52 236.25,240.52 236.32,240.59 245.49,240.59 v1(247.4,242.5) ; v1(57.3,141.5) 58.52,142.72 58.61,142.72 59.48,143.58 65.06,143.58 65.12,143.52 66.25,143.52 66.32,143.59 75.49,143.59 v1(77.4,145.5) ; v1(142.3,141.5) 143.52,142.72 143.61,142.72 144.48,143.58 150.06,143.58 150.12,143.52 151.25,143.52 151.32,143.59 160.49,143.59 v1(162.4,145.5) ; v1(247.4,145.5) 245.49,143.59 236.32,143.59 236.25,143.52 235.12,143.52 235.06,143.58 229.48,143.58 228.61,142.72 228.52,142.72 v1(227.3,141.5) ; v1(77.4,48.5) 75.49,46.59 66.32,46.59 66.25,46.52 65.12,46.52 65.06,46.58 59.48,46.58 58.61,45.72 58.52,45.72 v1(57.3,44.5) ; v1(142.3,44.5) 143.52,45.72 143.61,45.72 144.48,46.58 150.06,46.58 150.12,46.52 151.25,46.52 151.32,46.59 160.49,46.59 v1(162.4,48.5) ; v1(227.3,44.5) 228.52,45.72 228.61,45.72 229.48,46.58 235.06,46.58 235.12,46.52 236.25,46.52 236.32,46.59 245.49,46.59 v1(247.4,48.5) ; v1(77.4,242.5) 75.49,240.59 66.32,240.59 66.25,240.52 65.12,240.52 65.06,240.58 59.48,240.58 58.61,239.72 58.52,239.72 v1(57.3,238.5)
